# Altium PCB USB_DAQ.PcbDoc (part 1 of 2) (continued)
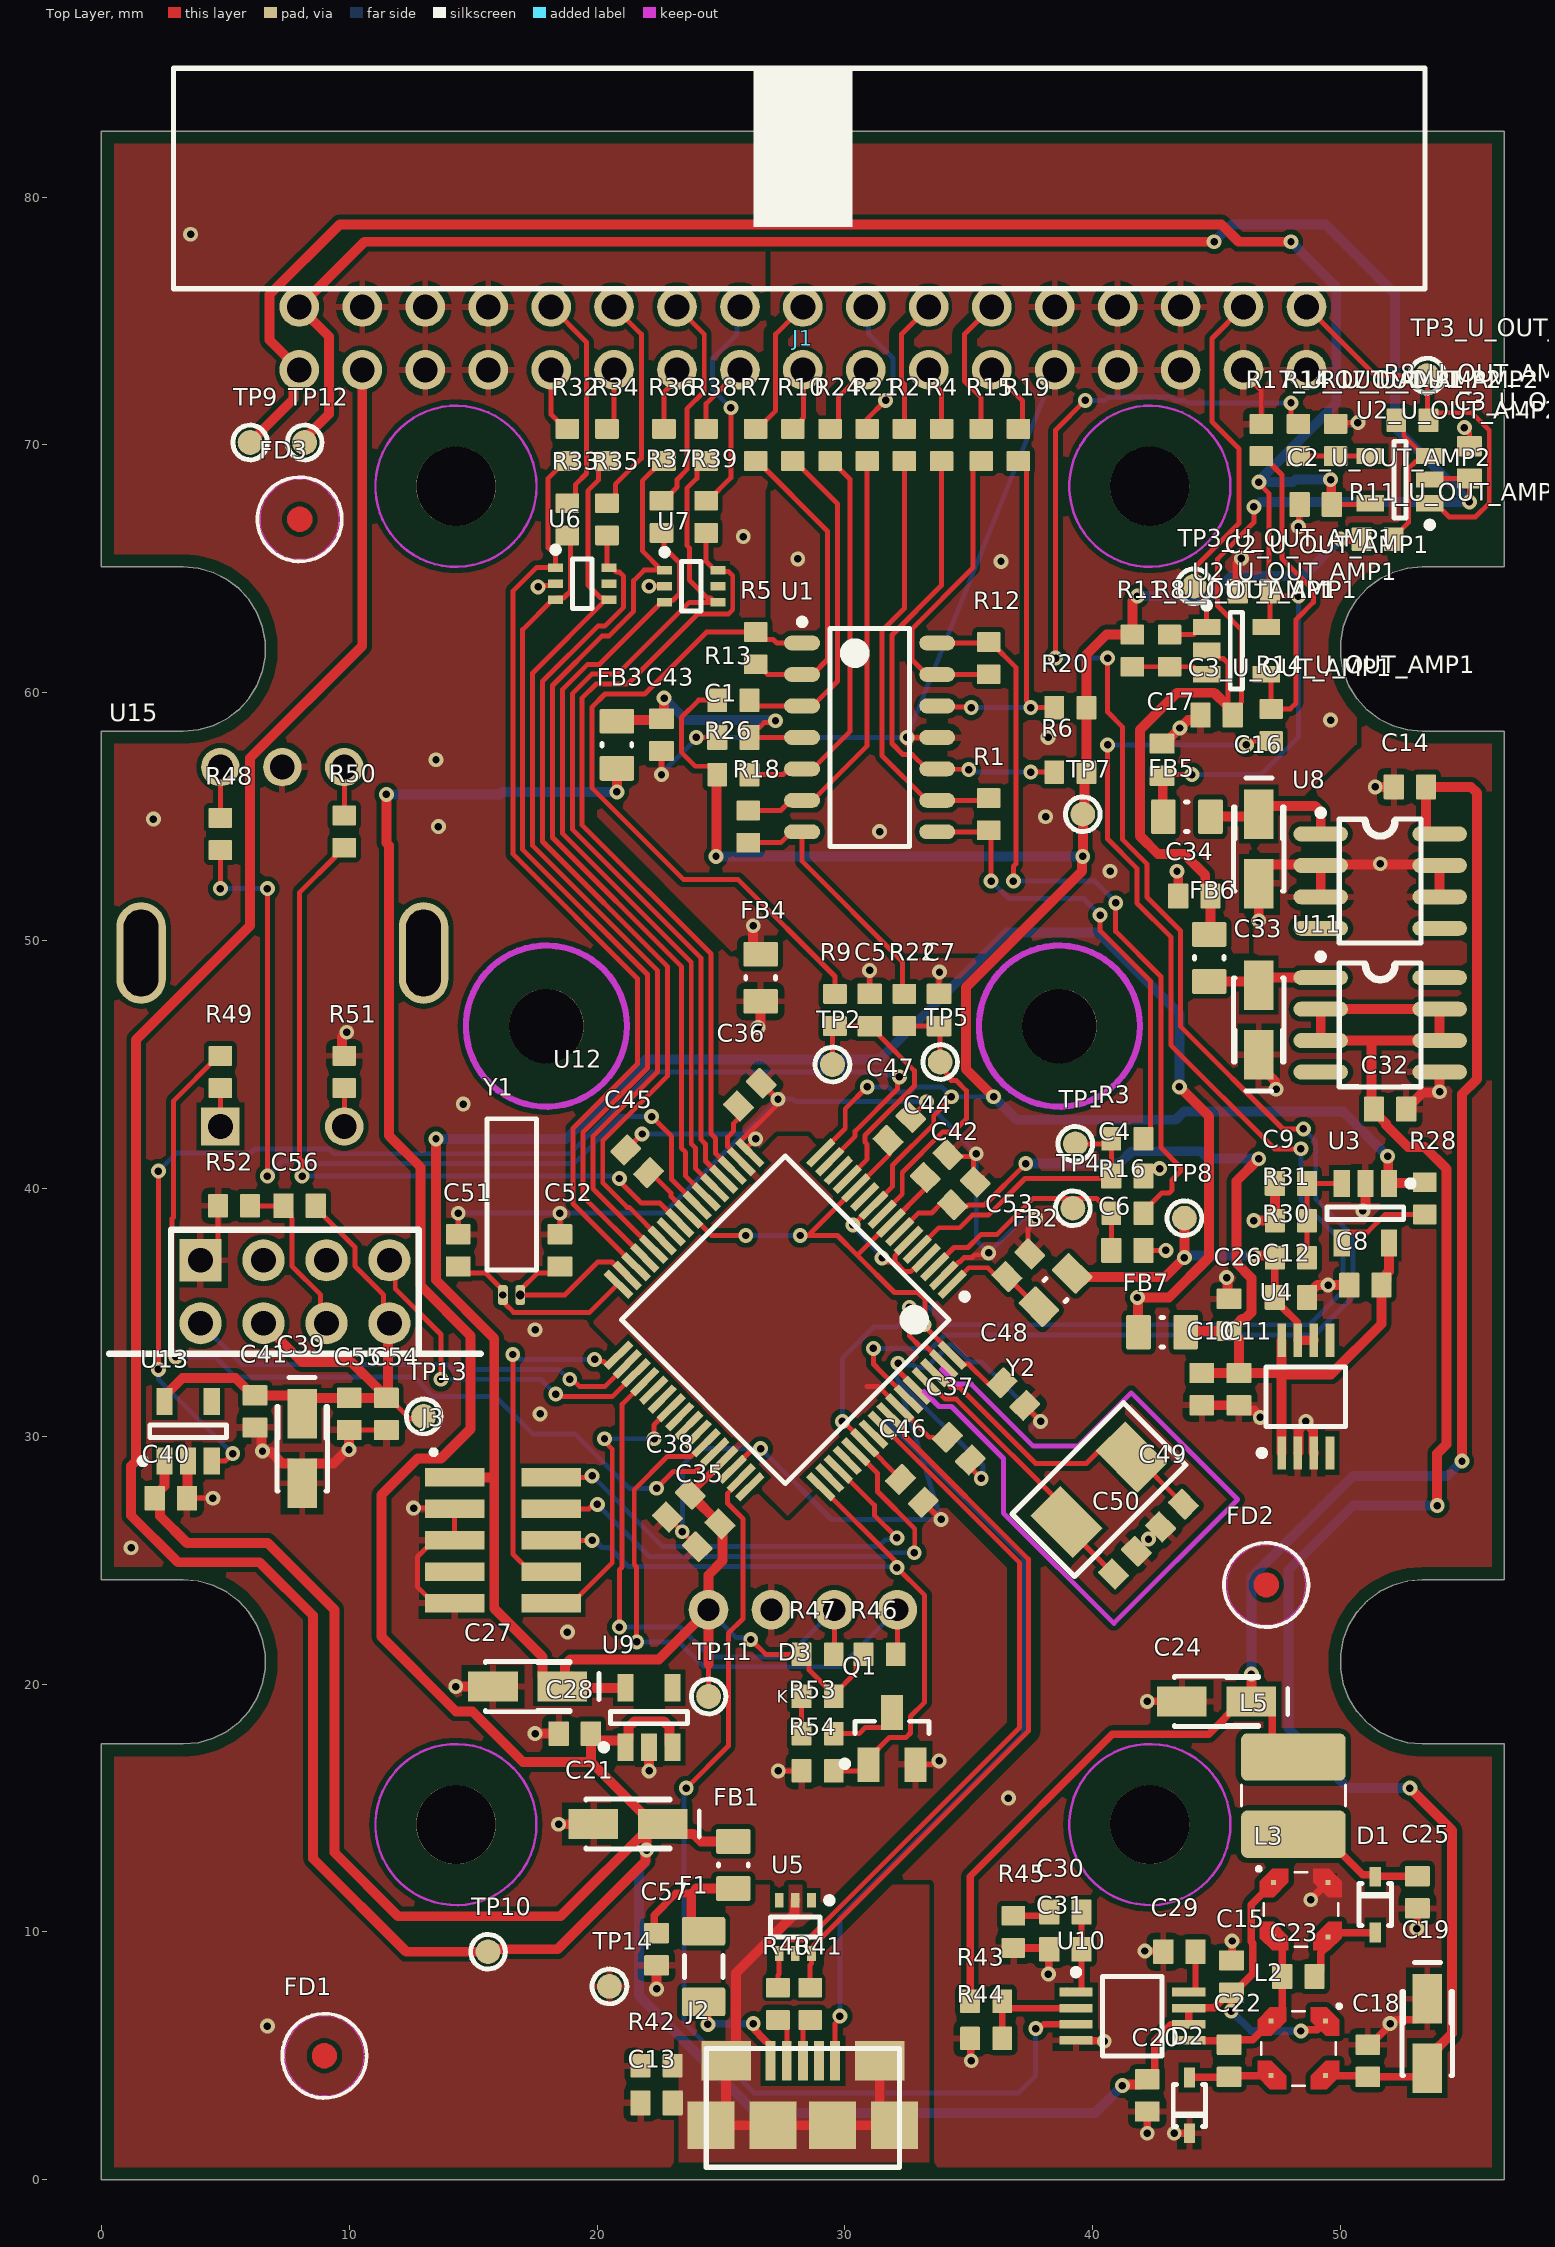
[diagram p0: Top Layer view]
## Components (designator, comment, footprint, x,y, rotation, side; value= is the part's Value field where it differs from the comment) (continued)
R41 "27R" R_0603 28.6,7.1 r90 top
R42 "1M" R_0603 22.4,4.6 r0 top
R43 "113k" R_0603 35.7,7.2 r0 top
R44 "10k" R_0603 35.7,5.7 r0 top
R45 "27k4" R_0603 36.8,10 r90 top
R46 "4k7" R_0603 31.4,21.2 r180 top
R47 "4k7" R_0603 28.9,21.2 r180 top
R48 "100R" R_0603 4.8,54.3 r90 top
R49 "100R" R_0603 4.8,44.7 r90 top
R50 "100R" R_0603 9.8,54.4 r90 top
R51 "100R" R_0603 9.8,44.7 r90 top
R52 "10k" R_0603 5.35,39.3 r0 top
R53 "270R" R_0603 28.9,18 r180 top
R54 "10k" R_0603 28.9,16.5 r0 top
TP1 "testpoint" TP1_FULL 39.3,41.8 r0 top
TP2 "testpoint" TP1_FULL 29.5,45 r90 top
TP3_U_OUT_AMP1 "testpoint" TP1_FULL 44.1,64.3 r0 top (schematic designator TP3)
TP3_U_OUT_AMP2 "testpoint" TP1_FULL 53.5,72.8 r90 top (schematic designator TP3)
TP4 "testpoint" TP1_FULL 39.2,39.2 r180 top
TP5 "testpoint" TP1_FULL 33.844,45.101 r90 top
TP7 "testpoint" TP1_FULL 39.6,55.1 r180 top
TP8 "testpoint" TP1_FULL 43.7,38.8 r90 top
TP9 "testpoint" TP1_FULL 6,70.1 r90 top
TP10 "testpoint" TP1_FULL 15.6,9.2 r90 top
TP11 "testpoint" TP1_FULL 24.5,19.5 r90 top
TP12 "testpoint" TP1_FULL 8.2,70.1 r90 top
TP13 "testpoint" TP1_FULL 13,30.8 r90 top
TP14 "testpoint" TP1_FULL 20.5,7.8 r90 top
U1 "OPA4348" SOIC14 31,58.2 r0 top
U2_U_OUT_AMP1 "ADA4000-1" SOT23-5 45.8,61.7 r0 top (schematic designator U2)
U2_U_OUT_AMP2 "ADA4000-1" SOT23-5 52.4,68.6 r180 top (schematic designator U2)
U3 "TLV2471" SOT23-5 51,39 r270 top
U4 "ADR3525WA" MSOP8 48.6,31.6 r90 top
U5 "PUSB2X4Y" SOT363 28,10.2 r270 top
U6 "PUSB2X4Y" SOT363 19.4,64.4 r0 top
U7 "PUSB2X4Y" SOT363 23.8,64.3 r0 top
U8 "MC78L12ACDG" SOIC8 51.6,52.4 r0 top
U9 "TPS70933" SOT23-5 22.1,18.65 r90 top
U10 "ADP1613" MSOP8 41.6,6.6 r0 top
U11 "MC79L12ACDG" SOIC8 51.6,46.6 r0 top
U12 "ATSAM3S4B" LQFP64 27.6,34.7 r225 top locked
U13 "TPS73633" SOT23-5 3.5,30.2 r90 top
U14 "SSD1306" OLED1 28.306,34.95 r0 bottom locked
U15 "ESP-01" ESP-01 7.81,35.83 r90 top locked
Y1 "32.768khz" 2X6_FLAT 16.55,35.7 r90 top value=32.758khz
Y2 "16MHz" 5X3.2 40.25,27.85 r225 top

## Footprints (in the part's own frame and the unit in brackets; to place one, negate y for a bottom-side part, rotate by r counter-clockwise, add the part's x,y. Pads: shape width x height; smd on the part's side, far side on the other; paste and mask are expansions set on the pad)
2X6_FLAT [mm]
  rrect50% 0.8x0.4 hole 0.35: 1(0,-0.35)
  rrect50% 0.8x0.4 hole 0.3: 2(0,0.35)
  silkscreen extent 1.02,-1 7.11,1, body extent -0.14,-1 7,1, height 3
5X3.2 [mm] "TXC 7A series crysal oscillator footprint"
  rect 1.7x2.4 smd: 1(-1.85,0) 2(1.85,0)
  silkscreen extent -3.18,-1.78 3.18,1.78, body extent -2.5,-1.6 2.5,1.6, height 1.26
C_0603 [mm] "Chip Capacitor, 2-Leads, Body 1.57x0.85mm, IPC Medium Density"
  rrect10% 0.82x1 smd: 1(-0.65,0) 2(0.65,0)
  body extent -0.82,-0.48 0.82,0.48, height 0.95
ESP-01 [mm]
  rect 1.7x1.7 hole 1: 1(1.27,3.81)
  round 1.7 hole 1: 2(-1.27,3.81) 3(1.27,1.27) 4(-1.27,1.27) 5(1.27,-1.27) 6(-1.27,-1.27) 7(1.27,-3.81) 8(-1.27,-3.81)
  silkscreen extent -2.5,-7.5 2.5,7.5, body extent -2.8,-7.25 22,7.25, height 13.88
FID1 [mm]
  Top Layer region: 0,-0.5 -0.099,-0.5 -0.283,-0.424 -0.424,-0.283 -0.5,-0.099 -0.5,0 -0.5,0.099 -0.424,0.283 -0.283,0.424 -0.099,0.5 0,0.5 0.099,0.5 0.283,0.424 0.424,0.283 0.5,0.099 0.5,0 0.5,-0.099 0.424,-0.283 0.283,-0.424 0.099,-0.5 0,-0.5
  Keep-Out Layer circle w0.01: c0,0 r1.6
  silkscreen extent -1.7,-1.7 1.7,1.7
HEADER_2X05_1.27mm [mm]
  rect 0.74x2.4 smd: 1(-2.54,-1.95) 2(-2.54,1.95) 3(-1.27,-1.95) 4(-1.27,1.95) 5(0,-1.95) 6(0,1.95) 7(1.27,-1.95) 8(1.27,1.95) 9(2.54,-1.95) 10(2.54,1.95)
  silkscreen extent -3.66,-2.89 -3.46,-2.69, body extent -3.18,-2.75 3.17,2.75, height 4.51
IDC34R [mm]
  round 1.6 hole 1: 1(-20.32,-1.27) 2(-20.32,1.27) 3(-17.78,-1.27) 4(-17.78,1.27) 5(-15.24,-1.27) 6(-15.24,1.27) 7(-12.7,-1.27) 8(-12.7,1.27) 9(-10.16,-1.27) 10(-10.16,1.27) 11(-7.62,-1.27) 12(-7.62,1.27) 13(-5.08,-1.27) 14(-5.08,1.27) 15(-2.54,-1.27) 16(-2.54,1.27) 17(0,-1.27) 18(0,1.27) 19(2.54,-1.27) 20(2.54,1.27) 21(5.08,-1.27) 22(5.08,1.27) 23(7.62,-1.27) 24(7.62,1.27) 25(10.16,-1.27) 26(10.16,1.27) 27(12.7,-1.27) 28(12.7,1.27) 29(15.24,-1.27) 30(15.24,1.27) 31(17.78,-1.27) 32(17.78,1.27) 33(20.32,-1.27) 34(20.32,1.27)
  silkscreen extent -25.4,2 25.1,10.9, body extent -25.71,-1.56 25.71,12, height 8.85
IND_SMD_4X4mm [mm]
  rrect26% 1.91x4.22 smd: 1(-1.555,0) 2(1.555,0)
  silkscreen extent -0.42,-2.1 0.42,2.1, body extent -2,-2 2,2, height 2.15
LED_0603 [mm] "SMD LED, 2-Leads, Body 1.57x0.85mm, IPC Medium Density"
  rrect10% 0.8x0.95 smd: 1(-0.65,0) 2(0.65,0)
  body extent -0.8,-0.4 0.8,0.4, height 0.7
LPD3015 [mm]
  rect 0.2x0.2 smd: 1(-1.1,1.1) 2(-1.1,-1.1) 3(1.1,-1.1) 4(1.1,1.1)
  Top Layer region: -1.65,-0.5 -1.1,-0.5 -0.5,-1.1 -0.5,-1.65 -1.15,-1.65 -1.65,-1.15
  Top Layer region: 1.65,-0.5 1.1,-0.5 0.5,-1.1 0.5,-1.65 1.15,-1.65 1.65,-1.15
  Top Layer region: 1.65,0.5 1.1,0.5 0.5,1.1 0.5,1.65 1.15,1.65 1.65,1.15
  Top Layer region: -1.65,0.5 -1.1,0.5 -0.5,1.1 -0.5,1.65 -1.15,1.65 -1.65,1.15
  silkscreen extent -1.75,-1.5 1.5,1.69, body extent -1.55,-1.54 1.53,1.54, height 1.5
LQFP64 [mm]
  rect 1.4x0.3 smd: 1(-5.775,3.75) 2(-5.775,3.25) 3(-5.775,2.75) 4(-5.775,2.25) 5(-5.775,1.75) 6(-5.775,1.25) 7(-5.775,0.75) 8(-5.775,0.25) 9(-5.775,-0.25) 10(-5.775,-0.75) 11(-5.775,-1.25) 12(-5.775,-1.75) 13(-5.775,-2.25) 14(-5.775,-2.75) 15(-5.775,-3.25) 16(-5.775,-3.75) 33(5.775,-3.75) 34(5.775,-3.25) 35(5.775,-2.75) 36(5.775,-2.25) 37(5.775,-1.75) 38(5.775,-1.25) 39(5.775,-0.75) 40(5.775,-0.25) 41(5.775,0.25) 42(5.775,0.75) 43(5.775,1.25) 44(5.775,1.75) 45(5.775,2.25) 46(5.775,2.75) 47(5.775,3.25) 48(5.775,3.75)
  rect 0.3x1.4 smd: 17(-3.75,-5.775) 18(-3.25,-5.775) 19(-2.75,-5.775) 20(-2.25,-5.775) 21(-1.75,-5.775) 22(-1.25,-5.775) 23(-0.75,-5.775) 24(-0.25,-5.775) 25(0.25,-5.775) 26(0.75,-5.775) 27(1.25,-5.775) 28(1.75,-5.775) 29(2.25,-5.775) 30(2.75,-5.775) 31(3.25,-5.775) 32(3.75,-5.775) 49(3.75,5.775) 50(3.25,5.775) 51(2.75,5.775) 52(2.25,5.775) 53(1.75,5.775) 54(1.25,5.775) 55(0.75,5.775) 56(0.25,5.775) 57(-0.25,5.775) 58(-0.75,5.775) 59(-1.25,5.775) 60(-1.75,5.775) 61(-2.25,5.775) 62(-2.75,5.775) 63(-3.25,5.775) 64(-3.75,5.775)
  silkscreen extent -5.9,-4.67 4.67,4.67, body extent -6,-6 6,6, height 1.6
MICRO_USB_A [mm]
  rect 0.4x1.6 smd: 1(-1.3,1.3) 2(-0.65,1.3) 3(0,1.3) 4(0.65,1.3) 5(1.3,1.3)
  rect 2x1.6 smd: 6(-3.1,1.3) 6(3.1,1.3)
  rect 1.9x1.9 smd: 7(-3.7,-1.3) 7(-1.2,-1.3) 7(1.2,-1.3) 7(3.7,-1.3)
  Keep-Out Layer lines w0.1: -3.9,-3 3.9,-3
  silkscreen extent -3.9,-3 3.9,1.8, body extent -3.96,-4.06 3.96,1.6, height 2.71
MSOP8 [mm]
  rect 1.35x0.35 smd: 1(-2.275,0.975) 2(-2.275,0.325) 3(-2.275,-0.325) 4(-2.275,-0.975) 5(2.275,-0.975) 6(2.275,-0.325) 7(2.275,0.325) 8(2.275,0.975)
  silkscreen extent -2.4,-1.6 1.2,1.9, body extent -2.58,-1.6 2.58,1.6, height 1.01
OLED1 [mm]
  round 1.6 hole 0.9: 1(-3.81,11.95) 2(-1.27,11.95) 3(1.27,11.95) 4(3.81,11.95)
  round 3 hole 3 unplated: MH(-10.35,-11.6) MH(10.35,-11.6)
  Keep-Out Layer circle w0.254: c10.35,-11.6 r3.25
  Keep-Out Layer circle w0.254: c-10.35,-11.6 r3.25
  silkscreen extent -13.6,-13.6 13.6,13.7, body extent -13.6,-13.6 13.6,13.7, height 5.09
PEC11L-4220F-S0015 [mm] "Bourns rotary encoder - 11 mm Low Profile Incremental w/Push Switch/Detent"
  rect 1.55x1.55 hole 1 paste-1000 mask+0: 1(-2.5,7)
  round 1.55 hole 1 paste-1000 mask+0: 2(2.5,7) A(-2.5,-7.5) B(2.5,-7.5) C(0,-7.5)
  rrect100% 2x4.1 hole 3.5 slot 1.4 at 0 deg paste-1000 mask+0: SH1(-5.7,0) SH2(5.7,0)
  silkscreen extent -6.15,-6.3 6.15,7.24, body extent -6.92,-7.55 6.92,7.05, height 25.3
"PPTCF 1206" [mm] "PPTC fuse 2-Leads, Body 3.15x1.60mm, IPC Medium Density"
  rrect15% 1.15x1.75 smd: 1(-1.425,0) 2(1.425,0)
  silkscreen extent -0.45,-0.77 0.45,0.77, body extent -1.6,-0.82 1.6,0.83, height 0.59
R_0603 [mm] "Chip Resistor, 2-Leads, Body 1.57x0.85mm, IPC Medium Density"
  rrect10% 0.8x0.95 smd: 1(-0.65,0) 2(0.65,0)
  body extent -0.82,-0.48 0.82,0.48, height 0.5
SMD_0805 [mm] "Chip 2-Leads, Body 2.05x1.25mm, IPC Medium Density"
  rrect15% 1x1.4 smd: 1(-0.95,0) 2(0.95,0)
  silkscreen extent -0.05,-0.6 0.05,0.6, body extent -1.1,-0.7 1.1,0.7, height 0.8
SOD323 [mm]
  rect 0.8x0.45 smd: 1(-1.125,0) 2(1.125,0)
  silkscreen extent -0.85,-0.65 0.85,0.65, body extent -0.85,-0.63 0.85,0.63, height 0.9
SOIC8 [mm]
  oval 2.2x0.6 smd: 1(-2.4,1.905) 2(-2.4,0.635) 3(-2.4,-0.635) 4(-2.4,-1.905) 5(2.4,-1.905) 6(2.4,-0.635) 7(2.4,0.635) 8(2.4,1.905)
  silkscreen extent -2.52,-2.5 1.65,2.88, body extent -2.89,-2.41 2.89,2.49, height 1.45
SOIC14 [mm]
  oval 1.45x0.6 smd: 1(-2.725,3.81) 2(-2.725,2.54) 3(-2.725,1.27) 4(-2.725,0) 5(-2.725,-1.27) 6(-2.725,-2.54) 7(-2.725,-3.81) 8(2.725,-3.81) 9(2.725,-2.54) 10(2.725,-1.27) 11(2.725,0) 12(2.725,1.27) 13(2.725,2.54) 14(2.725,3.81)
  silkscreen extent -2.85,-4.4 1.6,4.78, body extent -2.77,-4.26 3.03,4.26, height 1.75
SOT23-3 [mm]
  rect 0.9x1.4 smd: 1(-0.95,-1.05) 2(0.95,-1.05) 3(0,1.05)
  silkscreen extent -2.03,-1.14 1.5,0.7, body extent -1.45,-1.4 1.45,1.4, height 1.3
SOT23-5 [mm]
  rect 1.1x0.65 smd: 1(-1.2,0.95) 2(-1.2,0) 3(-1.2,-0.95) 4(1.2,-0.95) 5(1.2,0.95)
  silkscreen extent -1.32,-1.55 0.25,1.95, body extent -1.4,-1.45 1.4,1.45, height 1.45
SOT363 [mm]
  rect 0.6x0.35 smd: 1(-1.075,0.65) 2(-1.075,0) 3(-1.075,-0.65) 4(1.075,-0.65) 5(1.075,0) 6(1.075,0.65)
  silkscreen extent -1.2,-1 0.4,1.5, body extent -1.13,-1 1.13,1, height 1.05
"Tantalum Case A" [mm]
  rect 2x1.2 smd: 1(-1.4,0) 2(1.4,0)
  silkscreen extent -2.87,-1.02 1.7,1.02, body extent -1.66,-0.86 1.74,0.94, height 1.8
TP1_FULL [mm]
  round 1 smd: 1(0,0)
  silkscreen extent -0.7,-0.7 0.7,0.7

## Part data
C1 C2_U_OUT_AMP1 C2_U_OUT_AMP2 C3_U_OUT_AMP1 C3_U_OUT_AMP2 C4 C5 C6 C7 C8 C9 C10 C11 C12 C13 C14 C15 C17 C18 C20 C22 C23 C25 C26 C28 C29 C30 C31 C32 C34 C35 C36 C37 C38 C40 C41 C42 C43 C44 C45 C46 C47 C48 C49 C50 C51 C52 C53 C54 C55 C56 C57: library part Capacitor, "Generic capacitor"
C16 C19 C21 C24 C27 C33 C39: library part "Capacitor - polarized", "Generic polarized capacitor"
D1 D2: "Schottky diode, 2A 20V", Case=SOD323, Manufacturer=Infineon, Manufacturer Number=PMEG2020AEA, Max  Reverse Voltage=20V, Max current=2A, Part Number=XDS0004, Category=diodes, Dealer=Farnell, Dealer number=8737940, HelpURL=https://www.farnell.com/datasheets/667013.pdf, Price=0.126, Technology=SMT
D3: "Generic LED Green"
E1: "Low Profile Encoder 15 PPR 2 Bit Quadrature 5VDC at 10 mA IP40 PCB Mount", Manufacturer=BOURNS, Part Number=XRE0000, Category="Rotary encoders", Dealer=Mouser, Dealer number=652-PEC11L4220FS0015, HelpURL=https://www.farnell.com/datasheets/2259386.pdf, Manufacturer Number=PEC11L-4220F-S0015, Price=1.51, Technology=SMT
F1: library part 1206L025YR, "Resettable Fuse, PPTC, 1206 (3216 Metric), POLYFUSE 1206L Series, 16 VDC, 250 mA, 500 mA, 0.08 s", Manufacturer=Littelfuse, Manufacturer Number=2920L030DR, Max voltage=16V, Resistance=2.3Ω, Trip current=500mA, Category=Fuses, Dealer=Farnell, Dealer number=1596990, HelpURL=https://www.farnell.com/datasheets/683946.pdf, Holing current=250mA, Price=0.46, Technology=SMT, Type="Poly fuse"
FB1 FB2 FB3 FB4 FB5 FB6 FB7: library part BLM21AG121SN1D, "Ferrite Bead, 0805 [2012 Metric], 120 ohm, 800 mA, BLM21A Series, 0.15 ohm, ± 25%", AC resistance=120Ω, Case=0805, DC resistance=0.15Ω, Frequency=100MHz, Manufacturer=Murata, Max current=0.2A, Category="ferite beads", Dealer=Farnell, Dealer number=1515617, HelpURL=https://www.farnell.com/datasheets/1914683.pdf, Manufacturer Number=BLM21AG121SN1D, Price=0.082, Technology=SMT
FD1 FD2 FD3: library part FIDUCIAL, Part Number=XXC0016, Category=Fiducials
J1: library part "09 18 534 7323", "Pin Header, Right Angle, Wire-to-Board, 2.54 mm, 2 Rows, 34 Contacts, Through Hole Right Angle", Manufacturer=Harting, Category=Connectors, Dealer=Farnell, Dealer number=1106736, HelpURL=https://www.farnell.com/datasheets/2012759.pdf, Lenght=2.9mm, Manufacturer Number="09 18 534 7323", Orientation="right angle", Pins=34, Pitch=2.54mm, Price=2.26, Strain Reliefe=no, Technology=THT
J2: library part 10104111-0001LF, "USB Connector, Micro USB Type AB, USB 2.0, Receptacle, 5 Ways, Surface Mount, Right Angle", Manufacturer=FCI, Category=Connectors, Dealer=Farnell, Dealer number=2293755, Gender=Receptacle, HelpURL=https://www.farnell.com/cad/2354255.pdf, Manufacturer Number=10104111-0001LF, Price=0.37, Size=micro, Technology="SMT / SMT", Type=A
J3: "Pin Header, Board-to-Board, 1.27 mm, 2 Rows, 10 Contacts, Surface Mount, Archer M50 Series", Manufacturer=Harwin, Category=Connectors, Dealer=Farnell, Dealer number=1022310, Gender=Male, HelpURL=https://cdn.harwin.com/pdfs/M50-360.pdf, Manufacturer Number=M50-3600542, Orientation=strait, Pins=5, Pitch=1.27mm, Price=0.90, Rows=2, Technology=SMD
L2 L3: "Inductor, Coupled, 15 µH, 20%, 1.42 ohm, 460 mA, 3mm x 3mm x 1.4mm", Case=LPD3015, Current RMS=460mA, Current Satturation=500mA, Manufacturer=Coilcraft, Manufacturer Number=LPD3015-153MRB, Resistance=1.42Ω, Tolerance=20%, Category=Inductors, Dealer=Farnell, Dealer number=2407927, HelpURL=https://www.farnell.com/datasheets/1805317.pdf, Note="common core", Price=0.82, Technology=SMT
L5: library part TYS4012100M-10, "Power Inductor (SMD), 10 µH, 770 mA, Shielded, 800 mA, TYS Series, 4mm x 4mm x 1.2mm", Case="4mm X 4mm", Current RMS=770mA, Current Satturation=800mA, Manufacturer="Laird Technologies", Resistance=0.265Ω, Tolerance=20%, Category=Inductors, Dealer=Farnell, Dealer number=2292514, HelpURL=https://www.farnell.com/datasheets/1685921.pdf, Manufacturer Number=TYS4012100M-10, Price=0.26, Technology=SMT, Type=Power
Q1: "60V 0.3A N-channel MOSFET", Case=SOT23-3, Manufacturer=NXP, Max current=0.3A, Max power disipation=830mW, Max voltage=60V, Part Number=XMN0002, Category=mosfets, Dealer=Farnell, Dealer number=1510761, HelpURL=https://www.farnell.com/datasheets/1499179.pdf, Logic level=Yes, Manufacturer Number=2N7002, Price=0.039, RDS=2.8Ω, SKU=5000000000001, Technology=SMT, Type="N-enhancment mode"
R1 R2 R3 R4 R5 R6 R7 R8_U_OUT_AMP1 R8_U_OUT_AMP2 R9 R10 R11_U_OUT_AMP1 R11_U_OUT_AMP2 R12 R13 R14_U_OUT_AMP1 R14_U_OUT_AMP2 R15 R16 R17_U_OUT_AMP1 R17_U_OUT_AMP2 R18 R19 R20 R21 R22 R24 R26 R28 R30 R31 R32 R33 R34 R35 R36 R37 R38 R39 R40 R41 R42 R43 R44 R45 R46 R47 R48 R49 R50 R51 R52 R53 R54: library part Resistor, "Generic resistor"
TP1 TP2 TP3_U_OUT_AMP1 TP3_U_OUT_AMP2 TP4 TP5 TP7 TP8 TP9 TP10 TP11 TP12 TP13 TP14: library part "Test Point", "testpoint 1.5mm diameter no hole", Part Number=XXC0006, Category=testpoints
U1: "1MHz, 45µA, CMOS, Rail-to-Rail OPERATIONAL AMPLIFIERS Value Line Series", Case=SOIC14, Manufacturer="Texas Instruments", Manufacturer Number=OPA4348AID, Part Number=XOG0008, Supply voltage max=5.5V, Supply voltage min=2.1V, Category="Integrated circuits", Dealer=Farnell, Dealer number=2323277, Devices=4, GBP=1MHz, HelpURL=http://www.ti.com/general/docs/suppproductinfo.tsp?distId=26&gotoUrl=http%3A%2F%2Fwww.ti.com%2Flit%2Fgpn%2Fopa4348, Price=1.64, Rail to Rail=IN/OUT, Technology=SMT
U2_U_OUT_AMP1 U2_U_OUT_AMP2: "Operational Amplifier, Single, 1 Amplifier, 5 MHz, 20 V/µs, ± 4V to ± 18V, TSOT, 5 Pins", Case=SOT, Manufacturer="Analog devices", Manufacturer Number=ADA4000-1AUJZ-R7, Part Number=XOG0003, Supply voltage max=+-18V, Category="Integrated circuits", Dealer=Farnell, Dealer number=2461002, Devices=1, HelpURL=https://www.farnell.com/datasheets/698265.pdf, Price=1.97, Technology=SMT
U3: "FAMILY OF 600μA/Ch 2.8MHz RAIL-TO-RAIL INPUT/OUTPUT / HIGH-DRIVE OPERATIONAL AMPLIFIERS WITH SHUTDOWN", Case=SOT23-5, Manufacturer="Texas Instruments", Manufacturer Number=TLV2471IDBVT, Part Number=XOG0002, Supply voltage max=6V, Supply voltage min=2.7V, Category="Integrated circuits", Dealer=Farnell, Dealer number=1102964, Devices=1, GBP=2.8MHz, HelpURL=http://www.ti.com/general/docs/suppproductinfo.tsp?distId=26&gotoUrl=http%3A%2F%2Fwww.ti.com%2Flit%2Fgpn%2Ftlv2471, Price=1.43, Rail to Rail=IN/OUT, Technology=SMT
U4: library part ADR3525W, "Micropower, High Accuracy / Voltage References", Case=MSOP8, Manufacturer="Analog devices", Manufacturer Number=ADR3525WARMZ-R7, Max input voltage=5.5V, Output current=10mA, Output Voltage=2.5V, Part Number=VRX0002, Voltage tolerance=0.1%, Category="Integrated circuits", Dealer=Farnell, Dealer number=2077701, HelpURL=https://www.farnell.com/datasheets/1511785.pdf, Price=1.66, Technology=SMT
U5 U6 U7: "ESD protection for high-speed interfaces", Case=SOT363, Clamping voltage=3.8V, Manufacturer=Multicomp, Part Number=XDE0000, Category="diode array", Dealer=Farnell, Dealer number=2400968, HelpURL=https://www.farnell.com/datasheets/1801208.pdf, Manufacturer Number=PUSB2X4Y, Price=0.174, Technology=SMT
U8: library part 78LXX, "100 mA Positive Voltage Regulator", Case=SOIC8, Manufacturer="ON Semiconductors", Max input voltage=35V, Output current=100mA, Output Voltage=12V, Part Number=XLR0006, Voltage tolerance=5%, Category="Integrated circuits", Dealer=Farnell, Dealer number=9666273, HelpURL=https://www.farnell.com/datasheets/2236920.pdf, LDO=No, Low noise=No, Manufacturer Number=MC78L12ACDG, Price=0.43, Technology=SMT, Teperature range="0°C to +150°C"
U9: library part TPS709XX, "1-µA IQ Voltage Regulators with Enable", Case=SOT23-5, Manufacturer="Texas Instruments", Manufacturer Number=TPS70933DBVT, Max input voltage=30V, Output current=150mA, Output Voltage=3.3V, Part Number=XLR0012, Category="Integrated circuits", Dealer=Farnell, Dealer number=2382995, HelpURL=http://www.ti.com/general/docs/suppproductinfo.tsp?distId=26&gotoUrl=http%3A%2F%2Fwww.ti.com%2Flit%2Fgpn%2Ftps709, LDO=Yes, Low noise=No, Price=0.86, Technology=SMT, Teperature range="-40°C to +85°C"
U10: library part ADP161X, "650 kHz /1.3 MHz Step-Up PWM DC-to-DC Switching Converters / REGULATORS  / Synchronous Step-Down DC-DC Converter", Case=MSOP8, Input voltage max=5.5V, Input voltage min=2.5V, Manufacturer="Analog devices", Manufacturer Number=ADP1613ARMZ-R7, Max output current=1.5A, Output voltage max=20V, Output voltage min=3.6V, Part Number=XSW0008, Category="Integrated circuits", Dealer=Farnell, Dealer number=2102527, Ext Cock=No, HelpURL=https://eu.mouser.com/datasheet/2/609/ADP1612_1613-1503267.pdf, Multyphaze=No, Price=1.63, Switching element=Internal, Synchronious=No, Technology=SMT, Type=Boost
U11: library part 79LXX, "100 mA Negative Voltage Regulator", Case=SOIC8, Manufacturer="ON Semiconductors", Max input voltage=-14V, Output current=100mA, Output Voltage=-12V, Part Number=XLR0007, Voltage tolerance=5%, Category="Integrated circuits", Dealer=Farnell, Dealer number=1652361, HelpURL=https://www.farnell.com/datasheets/2255359.pdf, LDO=No, Low noise=No, Manufacturer Number=MC79L12ACDG, Price=0.52, Technology=SMT, Teperature range="0°C to +150°C"
U12: library part ATSAM3SXB, "Cortex M3 ARM microcontroller", Case=LQFP64, Manufacturer=Atmel, Manufacturer Number=ATSAM3S4BA-AU, Max Frequency=64MHz, Part Number=XAM0003, Supply voltage max=3.6V, Supply voltage min=1.62V, Temperature range="-40°C to +85°C", ADCs=8, Category="Integrated circuits", Core=Cortex-M3, Dealer=Farnell, Dealer number=1841656, Flash=256kB, GPIOs=47, HelpURL=https://www.farnell.com/datasheets/1698183.pdf, IIC=2, Price=6.58, RAM=48kB, SPI=1, Technology=SMT, Timers=3, UART=3
U13: library part TPS736XX, "Cap-Free, NMOS, 400-mA Low-Dropout Regulator with Reverse Current Protection", Case=SOT23-5, Manufacturer="Texas instruments", Manufacturer Number=TPS73633DBV, Max input voltage=5.5V, Output current=400mA, Output Voltage=3.3V, Part Number=XLR0013, Voltage tolerance=1%, Category="Integrated circuits", Dealer=Farnell, Dealer number=1207346, HelpURL=http://www.ti.com/general/docs/suppproductinfo.tsp?distId=26&gotoUrl=http%3A%2F%2Fwww.ti.com%2Flit%2Fgpn%2Ftps736, LDO=Yes, Low noise=No, Price=2.53, Technology=SMT, Teperature range="-40°C to +125°C"
U14: library part OLED_SSD1306, "Oled display module", Part Number=OLM0000, Category=Displays, Dealer=Ebay, HelpURL=https://cdn-shop.adafruit.com/datasheets/SSD1306.pdf, Price=7, Technology=THT
U15: "WIFI module", Part Number=XWM0000, Category="WIFI modules", Dealer=Ebay, HelpURL=https://en.wikipedia.org/wiki/ESP8266, Price=3.8, Technology=THT
Y1: library part "R26-32.768- 12.5", "Crystal, 32.768 kHz, Cylinder Radial, 6.2mm x 2mm Dia, 12.5 pF, 20 ppm, R26 Series", Case=5X3.2_1, Frequency tolerance=20ppm, Load capacitance=12pF, Manufacturer=RALTRON, Part Number=XCR0010, Category=Crystals, Dealer=Farnell, Dealer number=1652573, HelpURL=http://www.ramitechnology.com/products/spec/crystal/crystal-r38_26_145.pdf, Manufacturer Number="R26-32.768- 12.5", Price=0.18, Technology=THT
Y2: library part 7A-16.000MAAJ-T, "Crystal, 16 MHz, SMD, 5mm x 3.2mm, 30 ppm, 18 pF, 30 ppm, 7A Series", Case=5X3.2, Frequency tolerance=30ppm, Load capacitance=18pF, Manufacturer=TCX, Category=Crystals, Dealer=Farnell, Dealer number=1841946, HelpURL=https://www.farnell.com/datasheets/1041607.pdf, Manufacturer Number=7A-16.000MAAJ-T, Price=0.91, Technology=SMT

## Free pads (board coordinates)
  round 3.2 hole 3.2 unplated mask+1.65: MH(14.306,14.331) MH(14.306,68.331) MH(42.306,14.331) MH(42.306,68.331)

## Via types
v1: diameter 0.6, hole 0.3, Top Layer to Bottom Layer, tented both sides, 180 vias

## Nets (pads, with @x,y where several pads share a name; then routed paths per layer and width w, separated by ;. In a path a pad name is that pad's centre, name@x,y a point inside that pad or via, vN(x,y) a via of type N, cw(c..) or ccw(c..) an arc to the next point about the centre after c; other vN are vias at no path point)
3V3: C27.1 C35.1 C36.1 C37.1 C38.1 D3.2 FB7.1 J3.1 R46.2 R47.2 TP11.1 U9.5 U12.18 U12.45 U12.58 U14.1 | length 113.1
  Top Layer w0.2: TP11.1@24.5,19.5 24.5,20.8 ; C36.1@25.703,43.324 25.737,43.29 25.737,42.851 25.5,42.614 25.5,42.3 25.267,42.067 25.267,41.7 25.815,41.152 U12.18@25.815,41.082 ; v1(26.2,21.8) 26.8,21.2 R47.2@28.25,21.2 28.55,20.9 28.55,20.575 D3.2@29.55,19.575 ; D3.2@29.55,19.5 D3.2@29.55,19.575 ; R46.2@30.75,21.2 30.45,20.9 30.45,20.475 D3.2@29.55,19.575 ; 30.9,32 31.361,32 U12.58@32.214,31.147 33.401,29.96 33.575,29.96 33.638,29.896 34.077,29.896 C37.1@34.14,29.96
  Top Layer w0.3: C38.1@23.76,27.66 23.76,27.678 U12.45@25.107,29.025
  Top Layer w0.4: v1(13.5,42) 13.5,36.298 15.85,33.948 15.85,28.329 ; J3.1@14.25,28.34 15.839,28.34 15.85,28.329 ; U9.5@21.15,19.85 19.4,19.85 19.2,20.05 19.2,20.1 19,20.3 C27.1@18.7,20 ; C38.1@23.76,27.66 C35.1@24.96,26.46 24.96,26.163 25.067,26.055 25.067,24.975 24.496,24.405 U14.1@24.496,23 ; 24.5,20.8 24.498,20.802 24.498,22.998 U14.1@24.496,23 ; FB7.1@41.85,34.2 41.825,34.225 41.825,35.575 v1(41.8,35.6) 43.08,35.6 44.7,37.22 44.7,42.9 v1(43.5,44.1) ; 15.85,28.329 15.85,23.05 16.819,22.081 17.8,21.1 17.8,20.3 18.2,19.9 C27.1@18.6,19.9 C27.1@18.7,20 ; C27.1@18.7,20 18.7,20.766 18.934,21 22.496,21 U14.1@24.496,23
  Bottom Layer w0.2: U14.1@24.496,23 25.619,21.877 26.123,21.877 v1(26.2,21.8)
  Bottom Layer w0.4: v1(13.5,42) 18.747,42 21.947,45.2 31.39,45.2 36.517,50.327 40.22,50.327 43.5,47.047 v1(43.5,44.1)
3V3A: C8.2 C10.1 C11.1 C26.1 C42.1 FB7.2 U3.5 U4.1 U4.8 U12.7 | length 43.9
  Top Layer w0.2: U12.7@32.214,38.253 32.965,39.004 33.496,39.004 33.867,39.375 34.306,39.375 34.404,39.277 34.931,39.277 34.988,39.333 35.633,39.333 v1(37.3,41)
  Top Layer w0.4: FB7.2@43.75,34.2 43.75,34.25 C26.1@45.59,34.25 ; C10.1@44.4,32.55 C11.1@45.9,32.55 ; C26.1@45.5,34.25 C26.1@45.59,34.25 ; v1(46.7,41.2) 45.8,40.3 45.8,36.99 46.4,36.39 46.4,34.998 46.142,34.74 46.034,34.74 45.8,34.506 45.8,34.46 C26.1@45.59,34.25 ; U4.1@47.625,29.325 47.625,32.5 ; U4.8@47.625,33.875 47.625,32.5 ; U3.5@51.95,37.8 51.95,36.65 51.86,36.56 51.86,36.31 C8.2@51.65,36.1 51.65,34.534 49.616,32.5 47.625,32.5 ; C26.1@45.59,34.25 45.9,33.94 C11.1@45.9,32.55 ; C11.1@45.9,32.55 47.575,32.55 47.625,32.5
  Bottom Layer w0.4: v1(37.3,41) 41.077,41 41.577,41.5 44.378,41.5 44.678,41.2 v1(46.7,41.2)
3V3W: C39.1 C41.1 C54.2 C55.2 C56.2 TP13.1 U13.5 U15.4 U15.8 | length 27
  Top Layer w0.2: C56.2@8.65,39.3 8.65,39.21 10.23,37.63 10.23,36.864 11.384,35.71 11.384,34.796 U15.8@11.62,34.56 ; C54.2@11.5,31.55 11.59,31.55 12.44,30.7 12.9,30.7 TP13.1@13,30.8
  Top Layer w0.4: U13.5@2.55,31.4 2.55,31.625 3.275,32.35 5.41,32.35 6.11,31.65 C41.1@6.2,31.65 7.7,31.65 C39.1@8.1,31.25 ; U15.4@6.54,34.56 8.1,33 10.081,33 11.2,31.881 11.2,31.76 C54.2@11.41,31.55 ; C39.1@8.1,30.9 C39.1@8.1,31.25 ; C39.1@8.1,31.3 C39.1@8.1,31.25 ; C39.1@8.5,31.55 C55.2@10,31.55 C54.2@11.41,31.55 ; U15.8@11.62,34.56 11.56,34.5 11.56,31.61 C54.2@11.5,31.55 C54.2@11.41,31.55
32KHZ_1: C51.1 U12.32 Y1.2 | length 8.1
  Top Layer w0.2: C51.1@14.4,36.85 14.669,36.581 15.519,36.581 16.2,35.9 Y1.2@16.2,35.8 ; Y1.2@16.3,35.9 16.3,35.8 Y1.2@16.2,35.7 16.3,35.6 16.3,35.334 16.634,35 19.7,35 20.813,36.113 20.846,36.113 U12.32@20.865,36.132
32KHZ_2: C52.1 U12.31 Y1.1 | length 7.5
  Top Layer w0.2: C52.1@18.683,37.033 C52.1@18.5,36.85 18.231,36.581 17.581,36.581 16.9,35.9 Y1.1@16.9,35.7 18.7,35.7 20.033,37.033 20.6,37.033 21.148,36.485 U12.31@21.218,36.485
+12V: C2_U_OUT_AMP1.1 C2_U_OUT_AMP2.1 C17.2 FB5.2 J1.1 TP9.1 U2_U_OUT_AMP1.5 U2_U_OUT_AMP2.5 | length 88.1
  Top Layer w0.2: C17.2@42.8,56.65 42.85,56.7 v1(44,56.7) ; v1(46.706,68.5) 46.706,68.451 47.106,68.051 47.106,64.144 C2_U_OUT_AMP1.1@47.15,64.1 ; U2_U_OUT_AMP1.5@46.925,62.65 47.15,62.875 47.15,64 C2_U_OUT_AMP1.1@47.15,64.1 ; v1(48.3,63.9) 47.35,63.9 C2_U_OUT_AMP1.1@47.15,64.1 ; C2_U_OUT_AMP2.1@49.65,67.6 51.15,67.6 U2_U_OUT_AMP2.5@51.2,67.65
  Top Layer w0.4: TP9.1@6,70.1 7.756,71.856 7.756,72.8 J1.1@7.986,73.03 6.786,74.23 6.786,76.067 9.618,78.9 45.19,78.9 45.89,78.2 v1(48,78.2) ; C17.2@42.8,56.65 42.825,56.625 42.825,55.025 FB5.2@42.85,55 ; v1(49.6,68.6) 49.625,68.575 49.625,67.625 C2_U_OUT_AMP2.1@49.65,67.6
  Bottom Layer w0.2: v1(44,56.7) 46.8,56.7 48.3,58.2 v1(48.3,63.9)
  Bottom Layer w0.4: v1(48,78.2) 49.826,76.375 49.826,71.674 46.706,68.554 v1(46.706,68.5) 48.084,68.5 48.184,68.6 v1(49.6,68.6)
+15V: C14.1 C24.1 L5.2 R43.1 U8.8 | length 70.9
  Top Layer w0.3: R43.1@35.05,7.2 35.05,12.237 40.794,17.981 44.681,17.981 46,19.3 C24.1@46.4,19.3 46.8,19.3 47.25,18.85 L5.2@47.25,17.853 ; L5.2@47.25,17.853 47.302,17.853 L5.2@48.1,17.055 48.048,17.055 L5.2@47.25,17.853
  Top Layer w0.4: C24.1@46.4,19.3 v1(46.4,20.4) ; U8.8@54,54.305 53.542,54.305 53.45,54.397 C14.1@53.45,56.2 55.266,56.2 55.5,55.966 55.5,44.405 54.9,43.805 v1(54.9,29)
  Bottom Layer w0.4: v1(46.4,20.4) 46.4,24.3 50.5,28.4 54.3,28.4 v1(54.9,29)
-12V: C3_U_OUT_AMP1.1 C3_U_OUT_AMP2.1 C34.2 FB6.2 J1.2 TP12.1 U2_U_OUT_AMP1.2 U2_U_OUT_AMP2.2 | length 101.5
  Top Layer w0.2: U2_U_OUT_AMP1.2@44.6,61.7 44.825,61.7 45.15,61.375 45.274,61.375 45.45,61.199 C3_U_OUT_AMP1.1@45.45,59.3 ; C3_U_OUT_AMP1.1@45.65,59.1 45.96,59.41 45.96,59.577 46,59.617 46,62.549 45.25,63.3 45.24,63.3 45.04,63.5 45.04,65.408 46.506,66.874 v1(46.506,67.5) ; U2_U_OUT_AMP2.2@53.6,68.6 53.65,68.65 C3_U_OUT_AMP2.1@55.2,68.65 v1(55.2,67.7)
  Top Layer w0.4: TP12.1@8.2,70.1 8.2,70.262 9.186,71.248 9.186,74.37 J1.2@7.986,75.57 10.616,78.2 v1(44.9,78.2) ; FB6.2@44.7,50.25 44.75,50.3 C34.2@44.75,51.8 44.54,52.01 44.54,52.65 43.69,53.5 42.628,53.5 41.9,54.228 41.9,58.502 43.398,60 44.902,60 45.44,59.462 45.44,59.31 C3_U_OUT_AMP1.1@45.65,59.1
  Bottom Layer w0.4: v1(44.9,78.2) 45.6,78.9 49.4,78.9 52.2,76.1 52.2,70.7 v1(55.2,67.7) 46.76,67.7 46.56,67.5 v1(46.506,67.5)
-15V: C18.1 C19.2 C32.1 L2.4 U11.2 U11.3 U11.6 U11.7 | length 68.8
  Top Layer w0.305: L2.4@49.4,4.2 51.05,4.2 C18.1@51.1,4.15 53.15,4.15 C19.2@53.5,4.5
  Top Layer w0.4: v1(52.8,15.8) 54.5,14.1 54.5,5.9 53.5,4.9 C19.2@53.5,4.5 ; v1(53.9,27.2) 53.9,29.3 54.275,29.675 54.275,40.792 53.392,41.675 52.723,41.675 51.84,42.558 51.84,42.62 51.35,43.11 C32.1@51.35,43.2 51.25,43.3 51.25,45.915 51.3,45.965 ; 51.3,45.965 U11.3@49.2,45.965 U11.2@49.2,47.235 U11.7@54,47.235 U11.6@54,45.965 51.3,45.965
  Bottom Layer w0.4: v1(52.8,15.8) 50.3,15.8 47.9,18.2 47.9,24.6 50.5,27.2 v1(53.9,27.2)
AGND: C1.1 C2_U_OUT_AMP1.2 C2_U_OUT_AMP2.2 C3_U_OUT_AMP1.2 C3_U_OUT_AMP2.2 C17.1 C34.1 C43.2 FB4.2 J1.25 J1.26 J1.27 J1.28 J1.29 J1.30 J1.31 J1.33 R17_U_OUT_AMP1.1 R17_U_OUT_AMP2.1 U1.11 | length 40.6
  Top Layer w0.2: v1(22.6,56.7) C43.2@22.6,57.65 ; v1(24,58.2) C1.1@24.85,58.2 ; v1(32.5,58.2) U1.11@33.725,58.2 ; J1.31@46.086,73.03 46.086,72.903 46.8,72.189 R17_U_OUT_AMP1.1@46.8,70.85 ; v1(48.3,66.7) 48.3,67.55 C2_U_OUT_AMP2.2@48.35,67.6 ; R17_U_OUT_AMP2.1@49.8,70.85 49.85,70.9 v1(50.7,70.9) ; v1(55,70.7) 55.2,70.5 C3_U_OUT_AMP2.2@55.2,69.95
  Top Layer w0.4: v1(26.3,50.6) 26.3,49.75 FB4.2@26.6,49.45 ; C17.1@42.8,57.95 42.89,57.95 v1(43.52,58.58) ; v1(43.4,52.8) 43.45,52.75 C34.1@43.45,51.8 ; v1@43.62,58.68 v1(43.52,58.58) ; C3_U_OUT_AMP1.2@44.35,59.1 44.15,58.9 43.84,58.9 v1(43.52,58.58) ; C2_U_OUT_AMP1.2@45.85,64.1 45.85,65.216 46,65.366 v1(46,65.42)
  Bottom Layer w0.2: v1(22.6,56.7) 22.6,56.75 24,58.15 v1(24,58.2) v1(32.5,58.2) J1.25@38.466,73.03
  other v1: 40.7,52.8 31.4,54.4 38.1,55 38.2,58.2 49.6,58.9 36.3,65.3 28.1,65.4
ANLG_OUT_U_OUT_AMP1: J1.32 R8_U_OUT_AMP1.2 TP3_U_OUT_AMP1.1 U2_U_OUT_AMP1.1 | length 16.5
  Top Layer w0.2: R8_U_OUT_AMP1.2@43.1,62.35 44.075,62.35 44.375,62.65 U2_U_OUT_AMP1.1@44.6,62.65 44.6,63.669 44.1,64.169 TP3_U_OUT_AMP1.1@44.1,64.3 44.166,64.366 44.166,65.1 45.906,66.84 45.906,69.846 44.811,70.94 44.811,74.296 J1.32@46.086,75.57
ANLG_OUT_U_OUT_AMP2: J1.34 R8_U_OUT_AMP2.2 TP3_U_OUT_AMP2.1 U2_U_OUT_AMP2.1 | length 16.5
  Top Layer w0.2: J1.34@48.626,75.57 51.396,72.8 TP3_U_OUT_AMP2.1@53.5,72.8 53.5,71.05 R8_U_OUT_AMP2.2@53.55,71 53.85,71.3 55.3,71.3 56,70.6 56,67.651 55.449,67.1 54.375,67.1 53.825,67.65 U2_U_OUT_AMP2.1@53.6,67.65
APS_EN: U10.3 U12.47 | length 42.7
  Top Layer w0.2: v1(23.6,15.8) 25.3,17.5 25.3,22.049 25.886,22.635 25.886,26.668 25.267,27.287 25.267,27.7 25.815,28.248 U12.47@25.815,28.318
  Top Layer w0.254: v1(37.7,6.1) 37.848,6.1 38.023,6.275 U10.3@39.325,6.275
  Bottom Layer w0.2: v1(23.6,15.8) 23.5,15.7 23.5,6.355 26.355,3.5 37,3.5 37.7,4.2 v1(37.7,6.1)